# Altium PCB 小车PCB升级1.PcbDoc (part 1 of 4) (continued)
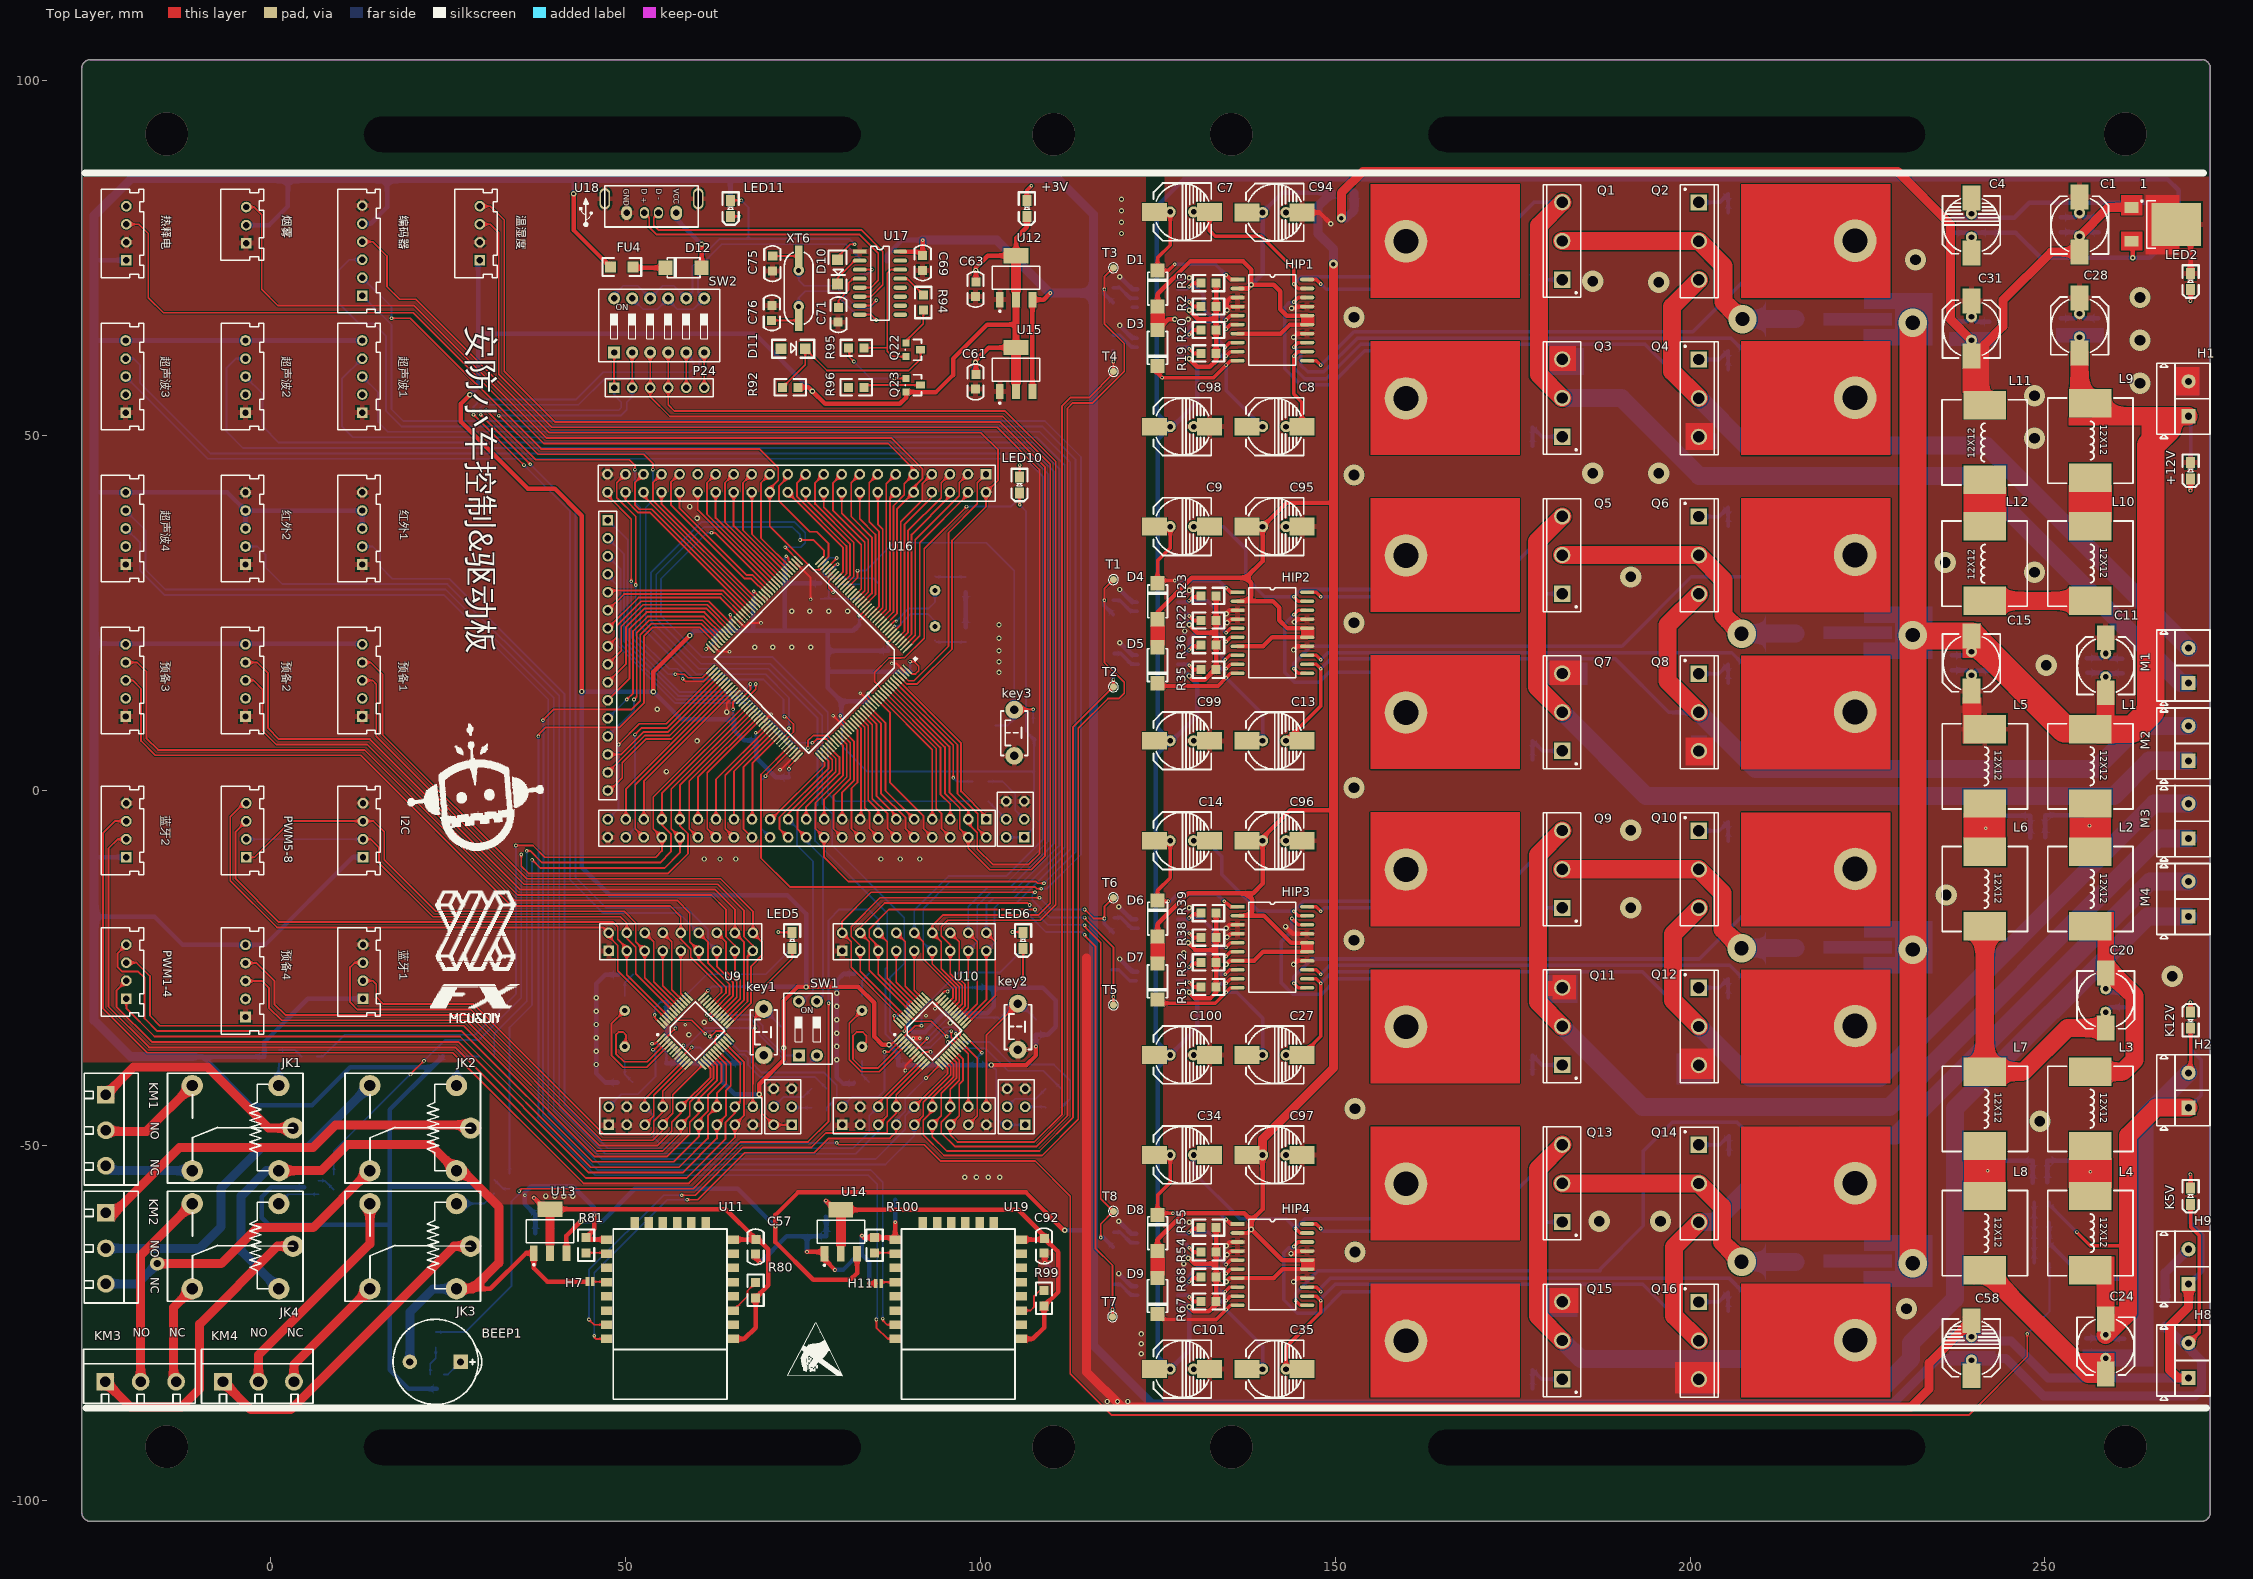
[diagram p0: Top Layer view]
## Components (designator, comment, footprint, x,y, rotation, side; value= is the part's Value field where it differs from the comment) (continued)
Q20 "NPN" SOT-23 31.512,-54.74 r270 bottom
Q21 "NPN" SOT-23 6.747,-54.867 r270 bottom
Q22 "8050" SOT-23 89.519,63.167 r270 top
Q23 "8550" SOT-23 89.519,58.19 r270 top
R1 "30R" 0805 118.745,68.834 r90 bottom
R2 "10K" 0805 133.096,68.197 r180 top
R3 "300R" 0805 133.096,71.498 r180 top
R4 "10R" 0805 175.768,70.612 r0 bottom
R5 "10R" 0805 205.486,84.074 r0 bottom
R6 "10K" 0805 175.768,73.279 r0 bottom
R7 "10K" 0805 207.391,81.407 r180 bottom
R8 "220k" 0805 133.096,64.897 r180 bottom
R9 "10K" 0805 177.673,51.181 r180 bottom
R10 "10K" 0805 205.486,59.309 r0 bottom
R11 "10R" 0805 177.673,48.514 r180 bottom
R12 "10R" 0805 205.486,61.976 r0 bottom
R13 "220k" 0805 133.096,61.595 r180 bottom
R14 "1k" 0805 270.535,44.171 r90 bottom
R15 "500R" 0805 270.535,70.866 r90 bottom
R16 "500R" 0805 270.535,-31.496 r270 bottom
R18 "30R" 0805 118.745,62.103 r90 bottom
R19 "10K" 0805 133.096,61.595 r180 top
R20 "300R" 0805 133.096,64.896 r180 top
R21 "30R" 0805 118.745,24.892 r90 bottom
R22 "10K" 0805 133.096,23.959 r180 top
R23 "300R" 0805 133.096,27.429 r180 top
R24 "10R" 0805 175.768,26.416 r0 bottom
R25 "10R" 0805 205.486,39.878 r0 bottom
R26 "10K" 0805 175.768,29.083 r0 bottom
R27 "10K" 0805 207.391,37.211 r180 bottom
R28 "220k" 0805 133.096,20.447 r180 bottom
R29 "10K" 0805 177.673,6.985 r180 bottom
R30 "10K" 0805 205.486,15.113 r0 bottom
R31 "10R" 0805 177.673,4.318 r180 bottom
R32 "10R" 0805 205.486,17.78 r0 bottom
R33 "220k" 0805 133.096,17.018 r180 bottom
R34 "30R" 0805 118.745,17.399 r90 bottom
R35 "10K" 0805 133.096,17.018 r180 top
R36 "300R" 0805 133.096,20.488 r180 top
R37 "30R" 0805 118.745,-19.939 r90 bottom
R38 "10K" 0805 133.096,-20.744 r180 top
R39 "300R" 0805 133.096,-17.275 r180 top
R40 "10R" 0805 175.768,-17.907 r0 bottom
R41 "10R" 0805 205.486,-4.445 r0 bottom
R42 "10K" 0805 175.768,-15.24 r0 bottom
R43 "10K" 0805 207.391,-7.112 r180 bottom
R44 "220k" 0805 133.096,-24.257 r180 bottom
R45 "10K" 0805 177.673,-37.338 r180 bottom
R46 "10K" 0805 205.486,-29.21 r0 bottom
R47 "10R" 0805 177.673,-40.005 r180 bottom
R48 "10R" 0805 205.486,-26.543 r0 bottom
R49 "220k" 0805 133.096,-27.559 r180 bottom
R50 "30R" 0805 118.745,-27.305 r90 bottom
R51 "10K" 0805 133.096,-27.684 r180 top
R52 "300R" 0805 133.096,-24.214 r180 top
R53 "30R" 0805 118.745,-64.262 r90 bottom
R54 "10K" 0805 133.096,-65.067 r180 top
R55 "470R" 0805 133.096,-61.598 r180 top
R56 "10R" 0805 175.768,-62.103 r0 bottom
R57 "10R" 0805 205.613,-48.641 r0 bottom
R58 "10K" 0805 175.768,-59.436 r0 bottom
R59 "10K" 0805 207.518,-51.308 r180 bottom
R60 "220k" 0805 133.096,-68.58 r180 bottom
R61 "10K" 0805 177.673,-81.661 r180 bottom
R62 "10K" 0805 205.486,-73.406 r0 bottom
R63 "10R" 0805 177.673,-84.328 r180 bottom
R64 "10R" 0805 205.486,-70.739 r0 bottom
R65 "220k" 0805 133.096,-72.009 r180 bottom
R66 "30R" 0805 118.745,-71.628 r90 bottom
R67 "10K" 0805 133.096,-72.007 r180 top
R68 "470R" 0805 133.096,-68.537 r180 top
R69 "500" 0805 73.481,-20.118 r270 bottom
R70 "500" 0805 106.015,-20.118 r270 bottom
R71 "" 0805 248.606,-58.039 r0 bottom
R72 "Res" 0805 248.606,-66.548 r0 bottom
R73 "" 0805 250.511,-60.875 r180 bottom
R74 "10k" 0805 72.263,-33.401 r270 bottom
R75 "10k" 0805 107.823,-32.385 r270 bottom
R76 "10k" 0805 76.327,-44.704 r0 bottom
R77 "10k" 0805 78.232,-42.037 r180 bottom
R78 "10k" 0805 109.347,-44.704 r0 bottom
R79 "10k" 0805 111.252,-42.037 r180 bottom
R80 "1k" 0805 68.326,-71.374 r90 top
R81 "1k" 0805 44.45,-63.119 r270 top
R82 "1K" 0805 23.241,-76.454 r270 bottom
R83 "500R" 0805 106.553,81.001 r90 bottom
R84 "500R" 0805 270.535,-58.039 r90 bottom
R85 "1k" 0805 6.35,-37.465 r180 bottom
R86 "1k" 0805 31.369,-37.465 r180 bottom
R87 "1k" 0805 33.655,-54.102 r270 bottom
R88 "1k" 0805 8.89,-54.229 r270 bottom
R90 "500" 0805 105.507,44.069 r270 bottom
R91 "4.7K" 0805 64.77,81.001 r90 bottom
R92 "10K" 0805 72.263,56.821 r0 top
R93 "300" 0805 83.058,74.794 r270 bottom
R94 "1K" 0805 91.948,69.723 r270 top
R95 "1K" 0805 81.534,62.382 r0 top
R96 "1K" 0805 81.534,56.821 r0 top
R98 "10R" 0805 77.445,27.178 r90 bottom
R99 "1k" 0805 108.966,-72.517 r90 top
R100 "1k" 0805 85.09,-63.119 r270 top
R101 "10k" 0805 107.442,9.338 r270 bottom
R102 "10k" 0805 100.965,1.27 r180 bottom
R103 "10k" 0805 99.06,-1.524 r0 bottom
SW1 "CSW-2P" "CSW DIP-2P" 75.692,-33.528 r0 top
SW2 "CSW-6P" "CSW DIP-6P" 54.737,65.532 r0 top
T1 "1 测试点" SIP1-1*1 118.745,29.718 r0 top
T2 "1 测试点" SIP1-1*1 118.745,14.605 r0 top
T3 "1 测试点" SIP1-1*1 118.745,73.66 r0 top
T4 "1 测试点" SIP1-1*1 118.745,59.055 r0 top
T5 "1 测试点" SIP1-1*1 118.745,-30.226 r0 top
T6 "1 测试点" SIP1-1*1 118.745,-15.113 r0 top
T7 "1 测试点" SIP1-1*1 118.618,-74.168 r0 top
T8 "1 测试点" SIP1-1*1 118.745,-59.309 r0 top
U1 "6N137" SOP-8 124.968,69.977 r90 bottom
U2 "6N137" SOP-8 124.968,63.119 r90 bottom
U3 "6N137" SOP-8 124.968,25.908 r90 bottom
U4 "6N137" SOP-8 124.968,18.415 r90 bottom
U5 "6N137" SOP-8 124.968,-18.796 r90 bottom
U6 "6N137" SOP-8 124.968,-26.162 r90 bottom
U7 "6N137" SOP-8 124.968,-63.119 r90 bottom
U8 "6N137" SOP-8 124.968,-70.485 r90 bottom
U9 "STM32F103C8" TQFP48 59.817,-33.909 r45 top
U10 "STM32F103C8" TQFP48 93.218,-33.909 r45 top
U11 "ESP-12F" ESP-12F 64.271,-61.779 r180 top
U12 "LM1117" SOT-223 105.033,72.263 r0 top
U13 "LM1117" SOT-223 39.37,-62.103 r0 top
U14 "LM1117" SOT-223 80.327,-62.187 r0 top
U15 "LM1117" SOT-223 105.033,59.309 r0 top
U16 "STM32F103ZET6" TQFP144 76.835,16.51 r225 top
U17 "CH340G" SOP-16 85.852,71.501 r270 top
U18 "USB A" "USB A 母-立式" 53.63,82.353 r180 top
U19 "ESP-12F" ESP-12F 104.891,-61.779 r180 top
XT1 "32.768K" XTAL-T 49.911,-33.528 r90 bottom
XT3 "32.768K" XTAL-T 83.337,-33.528 r90 bottom
XT5 "32.768KHZ" XTAL-T 93.624,25.679 r90 bottom
XT6 "12MHZ" XTAL-T 74.422,70.739 r270 top
温湿度 "HTU21D" PZ_XH-2.54-4P 29.464,77.261 r90 top (schematic designator HTU1)
烟雾 "Header 3H" PZ_XH-2.54-3P -3.471,79.676 r90 top (schematic designator P8)
热释电 "Header 4H" PZ_XH-2.54-4P -20.347,77.261 r90 top (schematic designator P7)
红外1 "Header 5H" PZ_XH-2.54-5P 12.896,31.843 r90 top (schematic designator P14)
红外2 "Header 5H" PZ_XH-2.54-5P -3.556,31.843 r90 top (schematic designator P15)
编码器 "Header 6H" PZ_XH-2.54-6P 12.896,69.723 r90 top (schematic designator P25)
蓝牙1 "蓝牙1" PZ_XH-2.54-4P 12.996,-26.797 r90 top (schematic designator P4)
蓝牙2 "蓝牙2" PZ_XH-2.54-4P -20.347,-6.858 r90 top (schematic designator P10)
超声波1 "Header 5H" PZ_XH-2.54-5P 12.896,53.252 r90 top (schematic designator P16)
超声波2 "Header 5H" PZ_XH-2.54-5P -3.556,53.252 r90 top (schematic designator P17)
超声波3 "Header 5H" PZ_XH-2.54-5P -20.447,53.252 r90 top (schematic designator P20)
超声波4 "Header 5H" PZ_XH-2.54-5P -20.447,31.843 r90 top (schematic designator P21)
预备1 "Header 5H" PZ_XH-2.54-5P 12.896,10.433 r90 top (schematic designator P18)
预备2 "Header 5H" PZ_XH-2.54-5P -3.556,10.433 r90 top (schematic designator P19)
预备3 "Header 5H" PZ_XH-2.54-5P -20.447,10.433 r90 top (schematic designator P22)
预备4 "Header 5H" PZ_XH-2.54-5P -3.556,-31.922 r90 top (schematic designator P23)
? "Comment" B209 27.813,-0.635 r0 top
? "Comment" USB_LOGO 44.45,81.28 r0 top
? "Comment" ICO1 76.581,-79.629 r0 top

## Footprints (in the part's own frame and the unit in brackets; to place one, negate y for a bottom-side part, rotate by r counter-clockwise, add the part's x,y. Pads: shape width x height; smd on the part's side, far side on the other; paste and mask are expansions set on the pad)
2P [mil]
  rect 20x50 smd: 1(-15,1) 2(15,1)
5V蜂鸣器 [mil]
  rect 80x80 hole 40: 1(-138,0)
  round 80 hole 40: 2(143.59,0)
  silkscreen extent -256,-236 236,236, body extent -232,-236 240,237, height 339
12*12电感 [mm]
  rect 4x6 smd: 1(0.762,6) 2(11.238,5.994)
  silkscreen extent 0,0 12,12, body extent -0.36,-0.36 12.34,12.34, height 8.5
0805 [mil]
  rect 50x50 smd: 1(-5,0) 2(80,0)
  silkscreen extent -50,-45 125,45, body extent -8,-24 70,25
0805C [mil]
  rect 50x50 smd: 1(0,-5) 2(82,-7)
  silkscreen extent -59,-50 139,40, body extent 2,-30 80,17, height 47
0805D [mil]
  rect 60x50 smd: 1(-45,0) 2(45,0)
  silkscreen extent -90,-45 90,45, body extent -43,-25 37,24, height 43
1206 [mil]
  rect 60x60 smd: 1(5,0) 2(130,0)
  silkscreen extent -40,-50 175,50
1206D [mil]
  rect 60x60 smd: 1(0,0) 2(135,0)
  silkscreen extent -50,-50 185,50
B209 [mm]
  silkscreen extent -8.59,-7.8 10.67,10.06
CD-8*8-2 [mil] "CD11"
  rect 98.43x137.8 smd: 1(0,155) 2(0,-150)
  round 62 hole 31.5: 1(0,68) 2(0,-62)
  silkscreen extent -160,-160 160,160, body extent -163,-177 163,177, height 272
CD-8*8-无极性 [mil] "CD11"
  round 62 hole 31.5: 1(0,68) 2(0,-62)
  rect 98.43x137.8 smd: 1(0,155) 2(0,-150)
  silkscreen extent -160,-160 160,160, body extent -157,-157 157,157, height 394
"CSW DIP-2P" [mm] "6.6*9.9*7mm"
  rect 1.7x1.7 hole 0.9: 1(-1.27,-3.81)
  round 1.7 hole 0.9: 2(1.27,-3.81) 3(1.27,3.81) 4(-1.27,3.81)
  silkscreen extent -3.43,-5.08 3.43,4.95, body extent -3.32,-4.95 3.32,4.95, height 6.65
"CSW DIP-6P" [mm] "16.8*9.9*7mm"
  rect 1.7x1.7 hole 0.9: 1(-6.35,-3.81)
  round 1.7 hole 0.9: 2(-3.81,-3.81) 3(-1.27,-3.81) 4(1.27,-3.81) 5(3.81,-3.81) 6(6.35,-3.81) 7(6.35,3.81) 8(3.81,3.81) 9(1.27,3.81) 10(-1.27,3.81) 11(-3.81,3.81) 12(-6.35,3.81)
  silkscreen extent -8.51,-5.08 8.51,5.08, body extent -8.4,-4.95 8.4,4.95, height 6.65
"DO-214-M7-  4007贴片" [mm]
  rect 2x2 smd: 1(2.413,0) 2(-2.667,0)
  silkscreen extent -2.41,-1.4 2.19,1.4, body extent -2.73,-1.33 2.47,1.27, height 2.53
ESP-12F [mm]
  rect 1.6x1.2 smd: 1(-0.9,15.5) 2(-0.9,13.5) 3(-0.9,11.5) 4(-0.9,9.5) 5(-0.9,7.5) 6(-0.9,5.5) 7(-0.9,3.5) 8(-0.9,1.5) 15(16.9,1.5) 16(16.9,3.5) 17(16.9,5.5) 18(16.9,7.5) 19(16.9,9.5) 20(16.9,11.5) 21(16.9,13.5) 22(16.9,15.5)
  rect 1.2x1.6 smd: 9(3,-0.9) 10(5,-0.9) 11(7,-0.9) 12(9,-0.9) 13(11,-0.9) 14(13,-0.9)
  silkscreen extent 0,0 16,24, body extent -1.4,-1.4 17.42,24.18, height 2.4
HDR1X6 [mm] "Connector; Header; 6 Position"
  rect 1.5x1.5 hole 0.9: 1(0,0)
  round 1.5 hole 0.9: 2(2.54,0) 3(5.08,0) 4(7.62,0) 5(10.16,0) 6(12.7,0)
  silkscreen extent -1.27,-1.27 13.97,1.27
HDR1X16 [mm] "Connector; Header; 16 Position"
  rect 1.5x1.5 hole 0.9: 1(0,0)
  round 1.5 hole 0.9: 2(2.54,0) 3(5.08,0) 4(7.62,0) 5(10.16,0) 6(12.7,0) 7(15.24,0) 8(17.78,0) 9(20.32,0) 10(22.86,0) 11(25.4,0) 12(27.94,0) 13(30.48,0) 14(33.02,0) 15(35.56,0) 16(38.1,0)
  silkscreen extent -1.27,-1.27 39.37,1.27
HDR2X3 [mm] "Connector; Header; 3x2 Position"
  rect 1.5x1.5 hole 0.9: 1(0,0)
  round 1.5 hole 0.9: 2(0,2.54) 3(2.54,0) 4(2.54,2.54) 5(5.08,0) 6(5.08,2.54)
  silkscreen extent -1.27,-1.27 6.35,3.81
HDR2X9 [mm] "Connector; Header; 9x2 Position"
  rect 1.5x1.5 hole 0.9: 1(0,0)
  round 1.5 hole 0.9: 2(0,2.54) 3(2.54,0) 4(2.54,2.54) 5(5.08,0) 6(5.08,2.54) 7(7.62,0) 8(7.62,2.54) 9(10.16,0) 10(10.16,2.54) 11(12.7,0) 12(12.7,2.54) 13(15.24,0) 14(15.24,2.54) 15(17.78,0) 16(17.78,2.54) 17(20.32,0) 18(20.32,2.54)
  silkscreen extent -1.27,-1.27 21.59,3.81
HDR2X22 [mm] "Connector; Header; 22x2 Position"
  rect 1.5x1.5 hole 0.9: 1(0,0)
  round 1.5 hole 0.9: 2(0,2.54) 3(2.54,0) 4(2.54,2.54) 5(5.08,0) 6(5.08,2.54) 7(7.62,0) 8(7.62,2.54) 9(10.16,0) 10(10.16,2.54) 11(12.7,0) 12(12.7,2.54) 13(15.24,0) 14(15.24,2.54) 15(17.78,0) 16(17.78,2.54) 17(20.32,0) 18(20.32,2.54) 19(22.86,0) 20(22.86,2.54) 21(25.4,0) 22(25.4,2.54) 23(27.94,0) 24(27.94,2.54) 25(30.48,0) 26(30.48,2.54) 27(33.02,0) 28(33.02,2.54) 29(35.56,0) 30(35.56,2.54) 31(38.1,0) 32(38.1,2.54) 33(40.64,0) 34(40.64,2.54) 35(43.18,0) 36(43.18,2.54) 37(45.72,0) 38(45.72,2.54) 39(48.26,0) 40(48.26,2.54) 41(50.8,0) 42(50.8,2.54) 43(53.34,0) 44(53.34,2.54)
  silkscreen extent -1.27,-1.27 54.61,3.81
ICO1 [mm]
  silkscreen extent -3.73,-2.84 3.96,4.65
KF301-3P [mm] "可拼接端子/6A"
  rect 2.5x2.5 hole 1.5: 1(0,0)
  round 2.5 hole 1.5: 2(5,0) 3(10,0)
  silkscreen extent -3.05,-3.05 12.7,4.57, body extent -2.87,-3 12.63,4.6, height 10.05
KF301接线端子 [mm]
  rect 2x2 hole 1: 1(2.54,2.997)
  round 2 hole 1: 2(7.46,2.997)
  silkscreen extent -0.6,0 10.01,7.5, body extent -0.5,-0.08 10,7.62, height 10.51
PZ_XH-2.54-3P [mm]
  rect 1.5x1.5 hole 0.9: 1(-2.54,0)
  round 1.5 hole 0.9: 2(0,0) 3(2.54,0)
  silkscreen extent -4.99,-2.45 5.06,3.55, body extent -5,-2.5 5,3.5, height 7.7
PZ_XH-2.54-4P [mm] "两针白色插座（已加焊）"
  rect 1.5x1.5 hole 0.9: 1(-2.54,0)
  round 1.5 hole 0.9: 2(0,0) 3(2.54,0) 4(5.08,0)
  silkscreen extent -5.02,-2.45 7.47,3.55, body extent -5.02,-2.45 7.5,3.55, height 7.7
PZ_XH-2.54-5P [mm]
  rect 1.5x1.5 hole 0.9: 1(0,0)
  round 1.5 hole 0.9: 2(2.54,0) 3(5.08,0) 4(7.607,0.006) 5(10.16,0)
  silkscreen extent -2.42,-2.55 12.6,3.45, body extent -2.44,-2.5 12.64,3.5, height 7.7
PZ_XH-2.54-6P [mm]
  rect 1.5x1.5 hole 0.9: 1(0,0)
  round 1.5 hole 0.9: 2(2.54,0) 3(5.08,0) 4(7.607,0.006) 5(10.16,0) 5(12.7,0)
  silkscreen extent -2.42,-2.55 15.01,3.45, body extent -2.41,-2.37 14.99,3.38, height 7.7
SIP1-1*1 [mm] "Connector; Plug"
  round 1 smd: 1(0,0)
  silkscreen extent -0.7,-0.7 0.7,0.7
SOP-8 [mil]
  rect 24x76 smd: 1(-75,-112.5)
  oval 24x76 smd: 2(-25,-112.5) 3(25,-112.5) 4(75,-112.5) 5(75,112.5) 6(25,112.5) 7(-25,112.5) 8(-75,112.5)
  silkscreen extent -112,-118 105,53, body extent -95,-118 97,118, height 67
SOP-16 [mil]
  rect 24x76 smd: 1(-175,-112.5)
  oval 24x76 smd: 2(-125,-112.5) 3(-75,-112.5) 4(-25,-112.5) 5(25,-112.5) 6(75,-112.5) 7(125,-112.5) 8(175,-112.5) 9(175,112.5) 10(125,112.5) 11(75,112.5) 12(25,112.5) 13(-25,112.5) 14(-75,112.5) 15(-125,112.5) 16(-175,112.5)
  silkscreen extent -205,-52 205,53, body extent -197,-150 197,150, height 66
SOP-20.. [mm]
  rect 2x0.5 smd: 1(0,0)
  oval 2x0.5 smd: 2(0,-1.27) 3(0,-2.54) 4(0,-3.81) 5(0,-5.08) 6(0,-6.35) 7(0,-7.62) 8(0,-8.89) 9(0,-10.16) 10(0,-11.43) 11(9.8,-11.43) 12(9.8,-10.16) 13(9.8,-8.89) 14(9.8,-7.62) 15(9.8,-6.35) 16(9.8,-5.08) 17(9.8,-3.81) 18(9.8,-2.54) 19(9.8,-1.27) 20(9.8,0)
  silkscreen extent 1.58,-12.06 8.22,0.64, body extent -0.36,-12.22 10.27,0.78, height 2.66
SOT-23 [mil]
  rect 40x50 smd: 1(41.88,80.63)
  rect 40x40 smd: 2(79.88,0.63) 3(4.88,0.63)
  silkscreen extent -15,-4 100,86, body extent -15,-11 99,99, height 47
SOT-223 [mm]
  rect 1.1x2.15 smd: 1(-2.3,-3.1) 2(0,-3.1) 3(2.3,-3.1)
  rect 3.5x2.15 smd: 2(0,3.1)
  silkscreen extent -3.35,-4.85 3.35,1.63, body extent -3.23,-3.58 3.27,3.38, height 1.7
SRD-C_B [mm] "单刀双投"
  round 3 hole 1.6: 1(0,0) 2(0,-12) 3(-2,-6) 4(12.2,0) 5(12.2,-12)
  silkscreen extent -3.4,-13.75 15.7,1.75, body extent -3.4,-13.75 15.7,1.75, height 15.6
TO263 [mm] "D2PAK936"
  rect 3.45x1 smd: 1(-6.225,2.54) 2(-6.225,0) 3(-6.225,-2.54)
  rect 8.5x10 smd: 2(5.588,0)
  silkscreen extent -6.35,-5.21 10.16,5.21, body extent -6.82,-5.05 8.85,4.95, height 4.88
"TO-247 - 贴" [mm] "SIP with Mounting Hole; 3 Leads; Body 20 x 15.6 x 5 mm (typ); Pitch 5.45 mm"
  rect 2.3x2.3 hole 1.6: 1(-5.45,0)
  round 2.3 hole 1.6: 2(0,0) 3(5.45,0)
  round 6 hole 3.5: 4(-0.051,22.022)
  Top Layer region: -8,6 8,6 8,27 -8,27
  Top Layer lines w0: 0,6.02 0,6
  Top Layer lines w0.127: 0.025,22.098 -0.051,22.022
  silkscreen extent -7.95,-2.6 7.95,2.7, body extent -8.08,-0.08 8.13,27.15, height 5.1
TO-252-2 [mm]
  rect 2x1.5 smd: 1(-3.764,2.407) 3(-3.759,-2.337)
  rect 7x6 smd: 2(2.55,0)
  silkscreen extent -2.41,-3.35 -0.35,3.43, body extent -4.11,-3.2 5.59,3.38, height 2.3
TQFP48 [mm]
  rect 1.6x0.3 smd: 1(-4.064,2.743) 2(-4.064,2.243) 3(-4.064,1.743) 4(-4.064,1.243) 5(-4.064,0.743) 6(-4.064,0.243) 7(-4.064,-0.257) 8(-4.064,-0.757) 9(-4.064,-1.257) 10(-4.064,-1.757) 11(-4.064,-2.257) 12(-4.064,-2.757) 25(4.136,-2.757) 26(4.136,-2.257) 27(4.136,-1.757) 28(4.136,-1.257) 29(4.136,-0.757) 30(4.136,-0.257) 31(4.136,0.243) 32(4.136,0.743) 33(4.136,1.243) 34(4.136,1.743) 35(4.136,2.243) 36(4.136,2.743)
  rect 0.3x1.6 smd: 13(-2.714,-4.107) 14(-2.214,-4.107) 15(-1.714,-4.107) 16(-1.214,-4.107) 17(-0.714,-4.107) 18(-0.214,-4.107) 19(0.286,-4.107) 20(0.786,-4.107) 21(1.286,-4.107) 22(1.786,-4.107) 23(2.286,-4.107) 24(2.786,-4.107) 37(2.786,4.093) 38(2.286,4.093) 39(1.786,4.093) 40(1.286,4.093) 41(0.786,4.093) 42(0.286,4.093) 43(-0.214,4.093) 44(-0.714,4.093) 45(-1.214,4.093) 46(-1.714,4.093) 47(-2.214,4.093) 48(-2.714,4.093)
  silkscreen extent -4.22,-2.91 2.94,3.53, body extent -4.48,-4.51 4.53,4.51, height 1.1
TQFP144 [mil]
  rect 70x10 smd: 1(-456.38,259.96)
  oval 70x10 smd: 2(-456.38,240.28) 3(-456.38,220.59) 4(-456.38,200.91) 5(-456.38,181.22) 6(-456.38,161.54) 7(-456.38,141.85) 8(-456.38,122.17) 9(-456.38,102.48) 10(-456.38,82.8) 11(-456.38,63.11) 12(-456.38,43.43) 13(-456.38,23.74) 14(-456.38,4.06) 15(-456.38,-15.63) 16(-456.38,-35.32) 17(-456.38,-55) 18(-456.38,-74.69) 19(-456.38,-94.37) 20(-456.38,-114.06) 21(-456.38,-133.74) 22(-456.38,-153.43) 23(-456.38,-173.11) 24(-456.38,-192.8) 25(-456.38,-212.48) 26(-456.38,-232.17) 27(-456.38,-251.85) 28(-456.38,-271.54) 29(-456.38,-291.22) 30(-456.38,-310.91) 31(-456.38,-330.59) 32(-456.38,-350.28) 33(-456.38,-369.96) 34(-456.38,-389.65) 35(-456.38,-409.33) 36(-456.38,-429.02) 73(398.27,-429.02) 74(398.27,-409.33) 75(398.27,-389.65) 76(398.27,-369.96) 77(398.27,-350.28) 78(398.27,-330.59) 79(398.27,-310.91) 80(398.27,-291.22) 81(398.27,-271.54) 82(398.27,-251.85) 83(398.27,-232.17) 84(398.27,-212.48) 85(398.27,-192.8) 86(398.27,-173.11) 87(398.27,-153.43) 88(398.27,-133.74) 89(398.27,-114.06) 90(398.27,-94.37) 91(398.27,-74.69) 92(398.27,-55) 93(398.27,-35.32) 94(398.27,-15.63) 95(398.27,4.06) 96(398.27,23.74) 97(398.27,43.43) 98(398.27,63.11) 99(398.27,82.8) 100(398.27,102.48) 101(398.27,122.17) 102(398.27,141.85) 103(398.27,161.54) 104(398.27,181.22) 105(398.27,200.91) 106(398.27,220.59) 107(398.27,240.28) 108(398.27,259.96)
  oval 10x70 smd: 37(-373.54,-511.85) 38(-353.86,-511.85) 39(-334.17,-511.85) 40(-314.49,-511.85) 41(-294.8,-511.85) 42(-275.12,-511.85) 43(-255.43,-511.85) 44(-235.75,-511.85) 45(-216.06,-511.85) 46(-196.38,-511.85) 47(-176.69,-511.85) 48(-157.01,-511.85) 49(-137.32,-511.85) 50(-117.64,-511.85) 51(-97.95,-511.85) 52(-78.27,-511.85) 53(-58.58,-511.85) 54(-38.9,-511.85) 55(-19.21,-511.85) 56(0.47,-511.85) 57(20.16,-511.85) 58(39.84,-511.85) 59(59.53,-511.85) 60(79.21,-511.85) 61(98.9,-511.85) 62(118.58,-511.85) 63(138.27,-511.85) 64(157.95,-511.85) 65(177.64,-511.85) 66(197.32,-511.85) 67(217.01,-511.85) 68(236.69,-511.85) 69(256.38,-511.85) 70(276.06,-511.85) 71(295.75,-511.85) 72(315.43,-511.85) 109(315.43,342.8) 110(295.75,342.8) 111(276.06,342.8) 112(256.38,342.8) 113(236.69,342.8) 114(217.01,342.8) 115(197.32,342.8) 116(177.64,342.8) 117(157.95,342.8) 118(138.27,342.8) 119(118.58,342.8) 120(98.9,342.8) 121(79.21,342.8) 122(59.53,342.8) 123(39.84,342.8) 124(20.16,342.8) 125(0.47,342.8) 126(-19.21,342.8) 127(-38.9,342.8) 128(-58.58,342.8) 129(-78.27,342.8) 130(-97.95,342.8) 131(-117.64,342.8) 132(-137.32,342.8) 133(-157.01,342.8) 134(-176.69,342.8) 135(-196.38,342.8) 136(-216.06,342.8) 137(-235.75,342.8) 138(-255.43,342.8) 139(-275.12,342.8) 140(-294.8,342.8) 141(-314.49,342.8) 142(-334.17,342.8) 143(-353.86,342.8) 144(-373.54,342.8)
  silkscreen extent -458,-455 341,345, body extent -463,-518 404,349, height 43
"USB A 母-立式" [mil]
  oval 65x80 hole 37: 1(-138.6,37.26)
  oval 50x65 hole 37: 2(-40,37.26) 3(38.5,37.26)
  oval 60x80 hole 37: 4(137,37.26)
  oval 59.06x118.11 hole 39.37 slot 90 at 90 deg: 5(-260,-40.74) 6(258,-40.74)
  silkscreen extent -260,-112 258,116, body extent -296,-136 297,140, height 610
USB_LOGO [mm]
  silkscreen extent -1.04,-1.7 0.84,2.14
XTAL-T [mil]
  rect 118.11x43.31 smd: 1(-179,-1) 2(178,-1)
  round 59.06 hole 28: 1(-101,-1) 2(99,-1)
  silkscreen extent -199,-81 197,79, body extent -224,-90 222,93, height 158
按键DIP-3*6*5 [mm] "3*6*5mm"
  round 2.5 hole 1.2: 1(3.25,0) 2(-3.25,0)
  silkscreen extent -3.21,-1.9 3.09,1.9, body extent -3.91,-1.75 3.91,1.75, height 5.01

## Part data
1: library part 78XX
+12V K12V LED2: library part LED
C1 C2 C3 C5 C6 C10 C11 C12 C15 C16 C17 C18 C19 C20 C21 C22 C23 C24 C25 C26 C28 C29 C30 C31 C32 C33 C36 C37 C38 C39 C40 C41 C42 C43 C44 C45 C46 C47 C49 C51 C52 C53 C55 C57 C59 C60 C61 C62 C63 C64 C65 C66 C67 C68 C69 C70 C71 C72 C73 C74 C75 C76 C78 C79 C80 C81 C82 C83 C84 C85 C86 C87 C88 C89 C90 C91 C92 C93: library part C
C4 C7 C8 C9 C13 C14 C27 C34 C35 C58 C94 C95 C96 C97 C98 C99 C100 C101: library part C+
DF1 DF2 DF3 DF4: library part D复合二极管
FU4: library part FUSE
H1 H2 H8 H9 M1 M2 M3 M4: library part "KF301 接线端子"
I2C PWM1-4 PWM5-8 蓝牙1 蓝牙2: library part "Header 4H", "Header, 4-Pin, Right Angle"
JK1 JK2 JK3 JK4: library part SRD-05VDC-SL-C, "5V单路双控继电器"
KM1 KM2 KM3 KM4: library part "Header 3", "3P接插件"
P1 P2: library part "Header 9X2", "Header, 9-Pin, Dual row"
P5 P6: "Header, 9-Pin, Dual row"
P12 P13 P29: "Header, 3-Pin, Dual row"
P24: "Header, 6-Pin"
P26 P27: "Header, 22-Pin, Dual row"
P28: "Header, 16-Pin"
Q22: library part NPN
Q23: library part PNP
R1 R2 R3 R4 R5 R6 R7 R8 R9 R10 R11 R12 R13 R14 R15 R16 R18 R19 R20 R21 R22 R23 R24 R25 R26 R27 R28 R29 R30 R31 R32 R33 R34 R35 R36 R37 R38 R39 R40 R41 R42 R43 R44 R45 R46 R47 R48 R49 R50 R51 R52 R53 R54 R55 R56 R57 R58 R59 R60 R61 R62 R63 R64 R65 R66 R67 R68 R69 R70 R71 R73 R74 R75 R76 R77 R78 R79 R80 R81 R82 R83 R84 R85 R86 R87 R88 R90 R91 R92 R93 R94 R95 R96 R98 R99 R100 R101 R102 R103: library part Res
SW1: "2路编码开关"
SW2: "6路编码开关"
XT1 XT3 XT5 XT6: library part XTAL
烟雾: "Header, 3-Pin, Right Angle"
热释电: "Header, 4-Pin, Right Angle"
红外1 红外2 超声波1 超声波2 超声波3 超声波4 预备1 预备2 预备3 预备4: "Header, 5-Pin, Right Angle"
编码器: "Header, 6-Pin, Right Angle"

## Free pads (board coordinates)
  rect 1.524x1.524 hole 5 slot 70 at 0 deg unplated: 3(48.139,-92.554) 3(48.139,92.456) 3(198.126,-92.554) 3(198.126,92.46)

## Via types
v1: diameter 0.508, hole 0.254, Top Layer to Bottom Layer, 231 vias
v2: diameter 0.762, hole 0.381, Top Layer to Bottom Layer, 119 vias
v3: diameter 3, hole 1.5, Top Layer to Bottom Layer, 29 vias
v4: diameter 6, hole 6, Top Layer to Bottom Layer, 8 vias
v5: diameter 4, hole 2, Top Layer to Bottom Layer, 8 vias
v6: diameter 1.27, hole 0.635, Top Layer to Bottom Layer, 2 vias
v7: diameter 0.381, hole 0.203, Top Layer to Bottom Layer, 1 vias
v8: diameter 2, hole 1, Top Layer to Bottom Layer, 1 vias
v9: diameter 0.762/0.635 (per signal layer), hole 0.381, Top Layer to Bottom Layer, 1 vias
v10: diameter 0.406, hole 0.203, Top Layer to Bottom Layer, 1 vias

## Nets (pads, with @x,y where several pads share a name; then routed paths per layer and width w, separated by ;. In a path a pad name is that pad's centre, name@x,y a point inside that pad or via, vN(x,y) a via of type N, cw(c..) or ccw(c..) an arc to the next point about the centre after c; other vN are vias at no path point)
1BOOT0: R78.2 U10.44 | length 31
  Top Layer w0.254: U10.44@89.819,-31.52 89.824,-31.52 90.816,-32.512 93.091,-32.512 v1(95.25,-34.671)
  Bottom Layer w0.254: v1(95.25,-34.671) 95.631,-34.671 96.393,-35.433 101.219,-35.433 104.394,-38.608 110.363,-38.608 112.649,-40.894 112.649,-43.434 R78.2@111.379,-44.704
1BOOT1: R79.1 U10.20 | length 20.6
  Top Layer w0.254: v1(95.377,-35.433) 95.854,-35.433 U10.20@96.678,-36.257
  Bottom Layer w0.254: v1(95.377,-35.433) 95.25,-35.433 96.139,-36.322 100.711,-36.322 103.886,-39.497 108.839,-39.497 R79.1@111.379,-42.037
1ESPRXD: P5.8 U10.12 U11.21 | length 71.6
  Top Layer w0.254: v1(44.831,-74.549) 45.561,-75.279 U11.21@47.371,-75.279 ; v1(57.912,-57.023) 59.817,-57.023 66.548,-50.292 76.2,-50.292 78.232,-48.26 86.868,-48.26 86.868,-46.736 88.138,-45.466 P5.8@88.138,-44.577 88.138,-42.888 U10.12@92.294,-38.732
  Bottom Layer w0.254: v1(44.831,-74.549) 44.831,-67.564 55.372,-57.023 v1(57.912,-57.023)
1ESPTXD: P5.7 U10.13 U11.22 | length 73.7
  Top Layer w0.254: v1(45.593,-76.835) 45.593,-77.089 45.783,-77.279 U11.22@47.371,-77.279 ; v1(58.674,-57.658) 60.198,-57.658 66.802,-51.054 76.581,-51.054 78.613,-49.022 87.249,-49.022 88.138,-48.133 P5.7@88.138,-47.117 ; v1(92.329,-40.513) 92.422,-40.513 U10.13@94.203,-38.732
  Bottom Layer w0.254: v1(45.593,-76.835) 45.593,-67.945 55.88,-57.658 v1(58.674,-57.658) ; P5.7@88.138,-47.117 88.138,-46.482 89.408,-45.212 89.408,-43.434 v1(92.329,-40.513)
1NRST: C52.1 key2.1 P5.18 R75.1 U10.7 | length 37.7
  Top Layer w0.254: U10.7@90.526,-36.964 92.511,-34.98 v1(92.511,-34.925) ; P5.18@100.838,-44.577 100.838,-34.469 key2.1@105.283,-30.024
  Bottom Layer w0.254: v1(92.511,-34.925) 95.432,-32.004 102.489,-32.004 C52.1@102.692,-32.207 104.875,-30.024 key2.1@105.283,-30.024 105.589,-30.024 R75.1@107.823,-32.258
1OSCIN: U10.5
1OSCOUT: U10.6
1PA0: P5.6 U10.10 红外1.2 | length 155.6
  Top Layer w0.254: P5.6@85.598,-44.577 85.598,-44.051 91.587,-38.063 U10.10@91.587,-38.025
  Bottom Layer w0.254: 红外1.2@12.896,34.383 14.385,34.383 15.43,33.337 15.43,31.559 17.145,29.845 25.146,29.845 41.402,13.589 41.402,-44.323 47.498,-50.419 82.042,-50.419 84.328,-48.133 84.328,-45.847 P5.6@85.598,-44.577
1PA1: P5.5 U10.11 红外2.2 | length 173.2
  Top Layer w0.254: P5.5@85.598,-47.117 86.868,-45.847 86.868,-43.451 U10.11@91.94,-38.378
  Bottom Layer w0.254: 红外2.2@-3.556,34.383 -1.905,34.383 -0.762,33.24 -0.762,31.496 1.651,29.083 24.892,29.083 40.64,13.335 40.64,-44.704 47.117,-51.181 82.423,-51.181 85.598,-48.006 P5.5@85.598,-47.117
1PA4: P5.10 U10.14 超声波4.4 | length 199
  Top Layer w0.254: P5.10@90.678,-44.577 95.377,-39.878 95.377,-39.199 U10.14@94.556,-38.378
  Bottom Layer w0.254: 超声波4.4@-20.453,39.45 -17.653,36.65 -17.653,31.115 -14.859,28.321 24.638,28.321 39.878,13.081 39.878,-45.085 46.736,-51.943 85.217,-51.943 89.408,-47.752 89.408,-45.847 P5.10@90.678,-44.577
1PA5: P5.9 U10.15 超声波4.3 | length 199.5
  Top Layer w0.254: P5.9@90.678,-47.117 91.948,-45.847 91.948,-43.942 95.809,-40.081 95.809,-38.924 U10.15@94.91,-38.025
  Bottom Layer w0.254: 超声波4.3@-20.447,36.923 -18.415,34.891 -18.415,30.988 -14.986,27.559 24.384,27.559 39.116,12.827 39.116,-45.466 46.355,-52.705 86.614,-52.705 90.678,-48.641 P5.9@90.678,-47.117
1PA6: P5.12 R21.1 T1.1 U10.16 | length 122.1
  Top Layer w0.254: U10.16@95.264,-37.671 96.215,-38.623 96.215,-40.31 93.218,-43.307 P5.12@93.218,-44.577 93.218,-45.212 91.948,-46.482 91.948,-48.514 94.869,-51.435 108.712,-51.435 113.792,-46.355 113.792,8.763 117.983,12.954 119.507,12.954 120.269,13.716 120.269,15.24 117.475,18.034 v1(117.475,26.797) 117.475,28.448 T1.1@118.745,29.718
  Bottom Layer w0.508: v1(117.475,26.797) 117.475,26.035 R21.1@118.745,24.765
1PA7: P5.11 R34.1 T2.1 U10.17 | length 101.6
  Top Layer w0.254: U10.17@95.617,-37.318 96.622,-38.322 96.622,-40.538 94.488,-42.672 94.488,-45.847 P5.11@93.218,-47.117 93.218,-48.768 95.25,-50.8 108.331,-50.8 113.03,-46.101 113.03,8.89 T2.1@118.745,14.605 v1(118.745,15.621)
  Bottom Layer w0.508: v1(118.745,15.621) R34.1@118.745,17.272
1PA8: P6.14 U10.29 | length 12.8
  Top Layer w0.254: P6.14@95.758,-20.066 97.028,-21.336 97.028,-26.53 97.841,-27.343 97.841,-30.356 U10.29@96.678,-31.52